# Altium PCB HACK_LINK_V1_new_power.PcbDoc (part 3 of 6)
Units mm, origin at the board's own origin, x right, y up, seen from the top; angles counter-clockwise.
Board outline 67.51 x 40.01 mm, 6 copper layers (L1, L2, L3, GND, POWER, L6); 277 components, 286 nets, 1682 pads, 596 vias.
Unrouted connection lines stored in the file: 4.
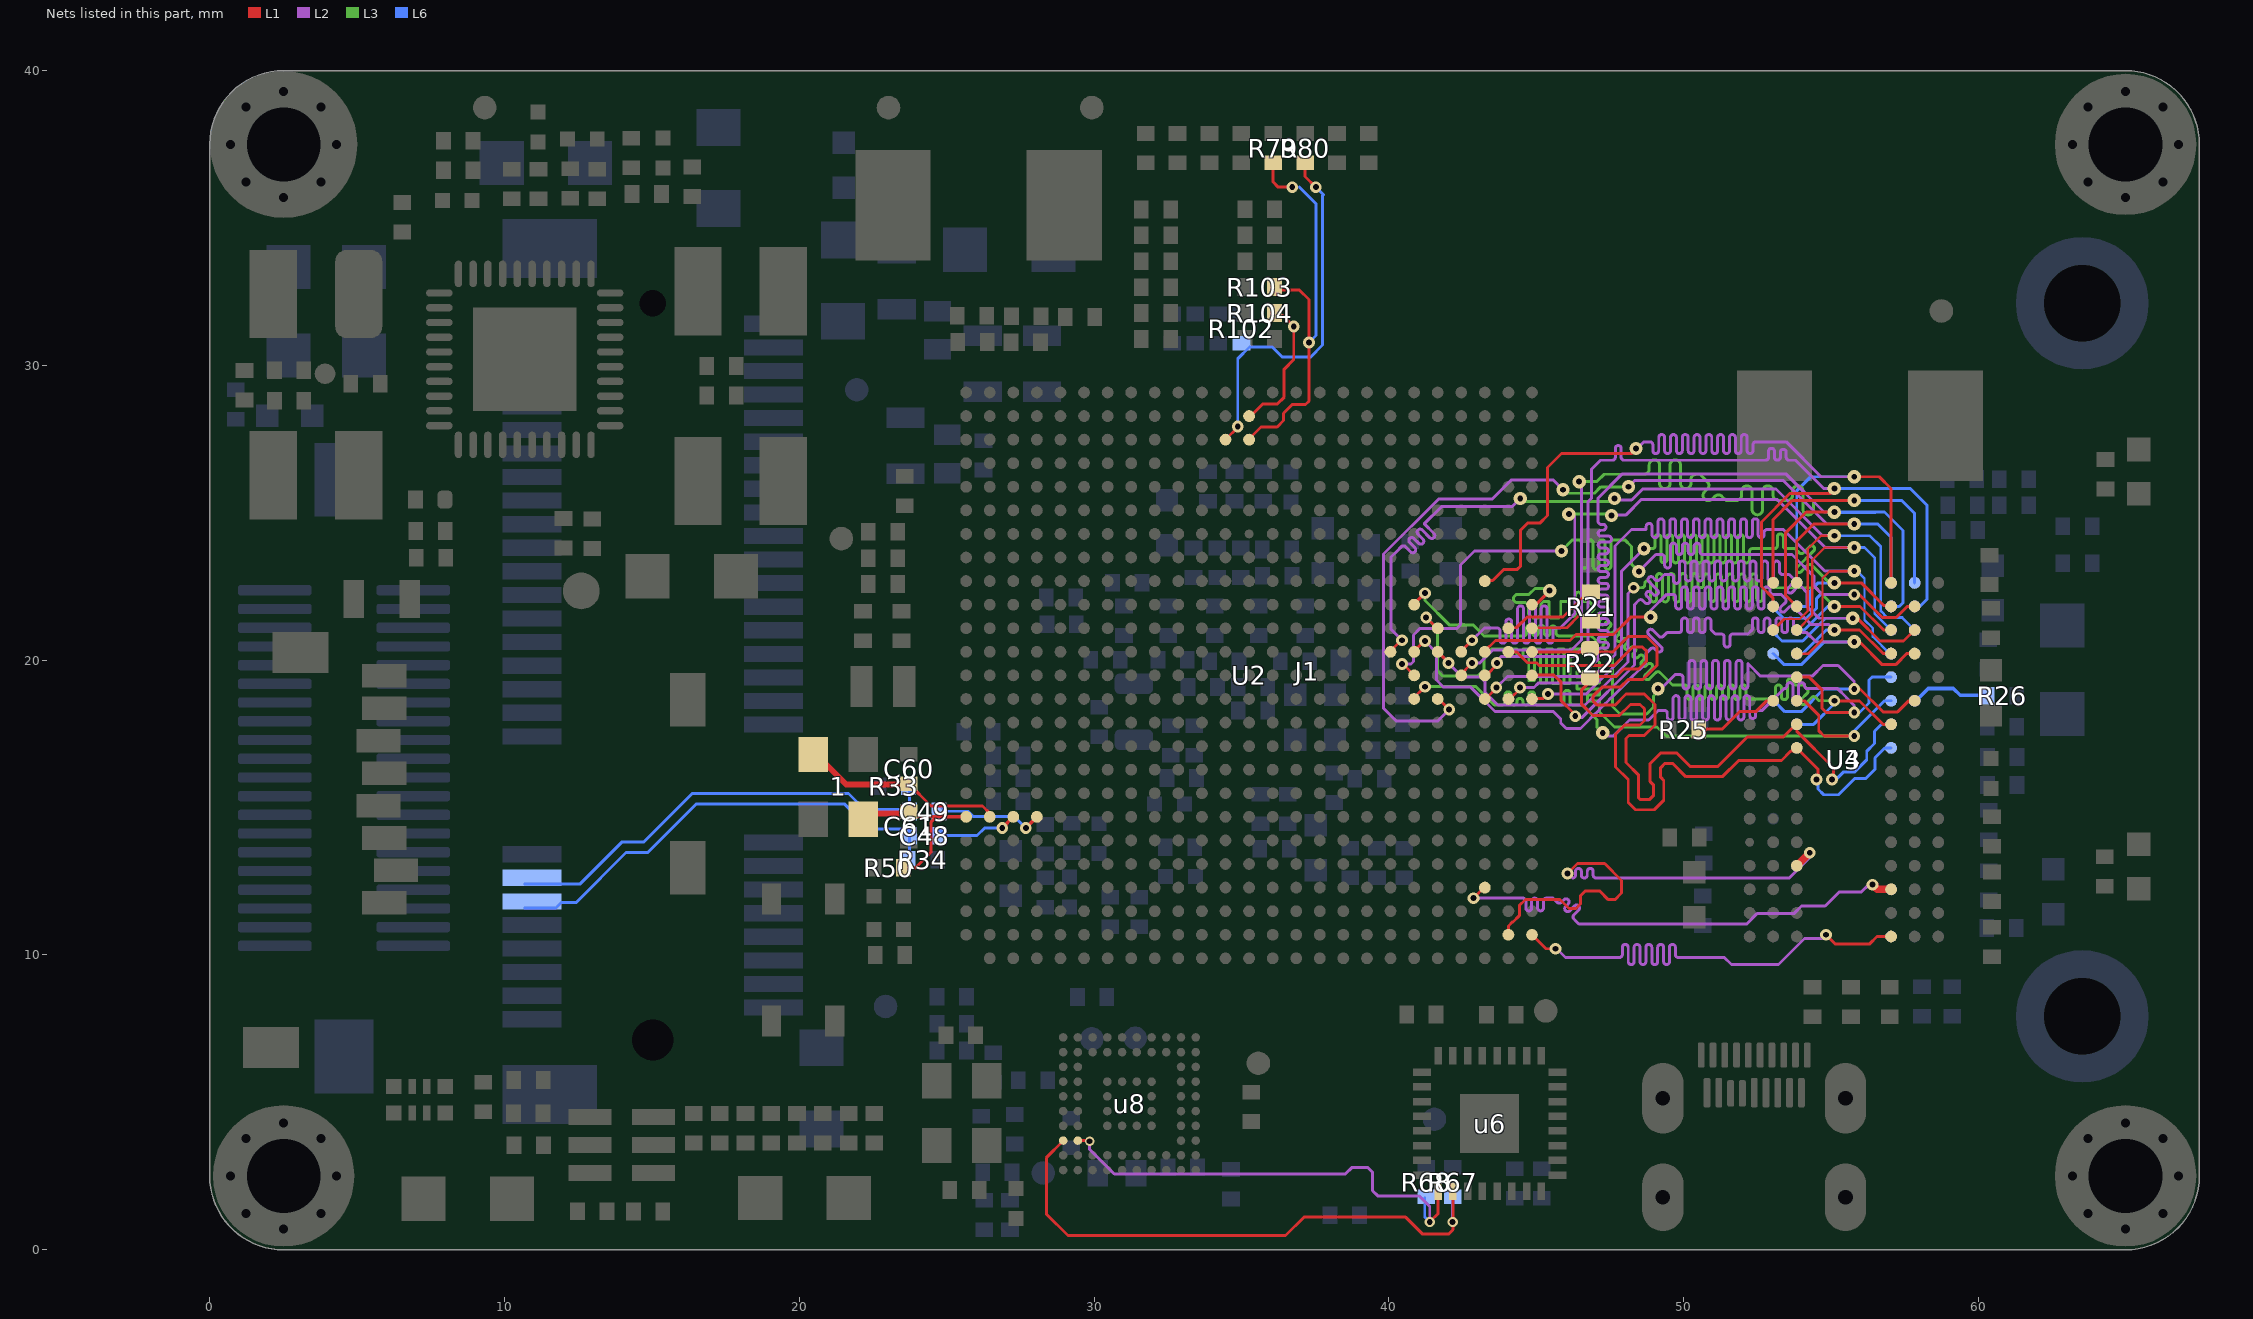
[diagram p7: the nets of this part, all layers, seen from the top]

## Via types
v1: diameter 0.4, hole 0.2, L1 to L6, tented both sides, 388 vias
v2: diameter 0.35, hole 0.2, L1 to L6, tented both sides, 45 vias
v3: diameter 0.45, hole 0.2, L1 to L6, tented both sides, 34 vias
v4: diameter 0.5, hole 0.3, L1 to L6, tented both sides, 31 vias
v5: diameter 0.8, hole 0.4, L1 to L6, 26 vias
v6: diameter 0.325, hole 0.2, L1 to L6, tented both sides, 14 vias
v7: diameter 0.6, hole 0.35, L1 to L6, 8 vias
v8: diameter 0.6, hole 0.3, L1 to L6, tented both sides, 6 vias
v9: diameter 0.45, hole 0.3, L1 to L6, tented both sides, 6 vias
v10: diameter 0.7, hole 0.4, L1 to L6, 5 vias
v11: diameter 0.7, hole 0.35, L1 to L6, 5 vias
v12: diameter 0.3, hole 0.2, L1 to L6, tented both sides, 4 vias
v13: diameter 0.7, hole 0.45, L1 to L6, tented both sides, 3 vias
v14: diameter 0.55, hole 0.3, L1 to L6, 3 vias
v15: diameter 0.5, hole 0.35, L1 to L6, 3 vias
v16: diameter 0.6, hole 0.35, L1 to L6, tented both sides, 2 vias
v17: diameter 0.7, hole 0.3, L1 to L6, 2 vias
v18: diameter 0.55, hole 0.3, L1 to L6, tented both sides, 2 vias
v19: diameter 0.4, hole 0.25, L1 to L6, tented both sides, 2 vias
v20: diameter 0.65, hole 0.335, L1 to L6, tented both sides, 1 vias
v21: diameter 0.6, hole 0.4, L1 to L6, tented both sides, 1 vias
v22: diameter 0.8, hole 0.45, L1 to L6, 1 vias
v23: diameter 0.9, hole 0.9, L1 to L6, 1 vias
v24: diameter 0.7, hole 0.7, L1 to L6, 1 vias
v25: diameter 0.4, hole 0.3, L1 to L6, tented both sides, 1 vias
v26: diameter 0.45, hole 0.25, L1 to L6, tented both sides, 1 vias

## Nets (pads, with @x,y where several pads share a name; then routed paths per layer and width w, separated by ;. In a path a pad name is that pad's centre, name@x,y a point inside that pad or via, vN(x,y) a via of type N, cw(c..) or ccw(c..) an arc to the next point about the centre after c; other vN are vias at no path point) (continued)
BT_CFG2_5: R80.2 R102.2 U2.M23 | length 12.7
  L1 w0.1: U2.M23@34.46,27.484 34.875,27.899 v1(34.875,27.925) ; R80.2@37.161,36.875 37.161,36.414 v1(37.525,36.05)
  L6 w0.1: v1(34.875,27.925) 34.875,30.225 35.275,30.625 36.05,30.625 36.38,30.295 37.359,30.295 37.755,30.691 37.755,35.766 37.782,35.793 v1(37.525,36.05)
BT_CFG2_6: R79.2 R103.2 U2.N23 | length 14.5
  L1 w0.1: U2.N23@35.26,27.484 35.26,27.51 35.664,27.914 36.213,27.914 36.43,28.131 36.43,28.377 36.725,28.672 37.172,28.672 37.29,28.79 v1(37.29,30.775) 37.29,32.235 36.965,32.56 R103.2@36.125,32.56 ; R79.2@36.079,36.875 36.079,36.221 36.25,36.05 v1(36.725,36.05)
  L6 w0.1: 36.975,36.05 37.535,35.49 37.535,31.02 v1(37.29,30.775)
BT_CFG2_7: R104.2 U2.N24 | length 4.8
  L1 w0.1: U2.N24@35.26,28.284 35.32,28.284 35.736,28.7 36.225,28.7 36.45,28.925 36.45,29.875 36.775,30.2 v1(36.775,31.325) 36.4,31.7 36.145,31.7 R104.2@36.125,31.68
CLK1_C_N: C48.1 U2.C7 | length 2.9
  L1 w0.125: v1(26.885,14.309) U2.C7@27.26,14.684
  L6 w0.1: C48.1@24.741,14.265 24.956,14.05 26.032,14.05 26.291,14.309 v1(26.885,14.309)
CLK1_C_P: C49.1 U2.D7 | length 3.8
  L1 w0.125: v1(27.685,14.309) U2.D7@28.06,14.684
  L6 w0.1: C49.1@24.741,15.09 24.956,14.875 25.725,14.875 25.9,14.7 27.294,14.7 v1(27.685,14.309)
CLK1_N: C48.2 J1.11 R34.2 | length 15.7
  L6 w0.1: J1.11@10.679,11.599 11.744,11.599 11.916,11.771 12.421,11.771 14.121,13.471 14.858,13.471 16.512,15.125 21.524,15.125 22.384,14.265 23.741,14.265 R34.2@23.741,13.488
CLK1_P: C49.2 J1.13 R33.2 | length 15.3
  L6 w0.1: J1.13@10.679,12.399 12.548,12.399 13.974,13.825 14.711,13.825 16.365,15.479 21.671,15.479 22.222,14.928 C49.2@23.678,14.928 ; C49.2@23.741,15.09 R33.2@23.741,15.888
CPU_XTALI: 1.1 C61.1 R50.1 U2.A7 | length 7.4
  L1 w0.1: 1.1@22.043,14.601 1.1@22.174,14.601 ; C61.1@23.527,14.801 23.716,14.99 24.006,14.7 U2.A7@25.65,14.7 ; R50.1@23.529,12.955 23.937,12.955 24.46,13.478 24.46,14.5 24.644,14.684 U2.A7@25.66,14.684
  L1 w0.2: 1.1@22.074,14.801 C61.1@23.527,14.801
CPU_XTALO: 1.3 C60.1 U2.B7 | length 7.1
  L1 w0.1: C60.1@23.71,15.809 24.465,15.054 26.215,15.054 26.46,14.809 U2.B7@26.46,14.684
  L1 w0.2: 1.3@20.374,17.001 21.591,15.784 C60.1@23.71,15.784
DDCS_SCL: R67.2 u6.10 u8.A3 | length 19.5
  L1 w0.1: u8.A3@28.95,3.7 28.95,3.686 28.38,3.116 28.38,1.209 29.114,0.475 36.497,0.475 37.122,1.1 40.575,1.1 41.15,0.525 42.025,0.525 42.175,0.675 u6.10@42.175,1.975
  L6 w0.1: v2@42.154,0.952 R67.2@42.154,1.744
  other v2: 42.166,0.94
DDCS_SDA: R68.2 u6.9 u8.B3 | length 16.1
  L1 w0.1: u8.B3@29.45,3.7 29.827,3.7 v6(29.851,3.675) ; v2@41.4,0.95 41.675,1.225 u6.9@41.675,1.975
  L2 w0.1: v6(29.851,3.675) 29.851,3.399 30.687,2.563 31.982,2.563 31.984,2.565 32.266,2.565 32.268,2.563 38.525,2.563 38.741,2.78 39.295,2.78 39.45,2.625 39.45,2 39.625,1.825 41.025,1.825 41.391,1.459 v2(41.391,0.94)
  L6 w0.1: R68.2@41.221,1.744 41.221,1.11 v2(41.391,0.94)
DRAM0_ZQ: R25.2 U3.L8 | length 2.7
  L1 w0.1: 50.766,17.638 50.792,17.664 51.315,17.664 51.905,18.254 52.455,18.254 52.825,18.624 U3.L8@53.044,18.624
DRAM1_ZQ: R26.2 U4.L8 | length 2.8
  L6 w0.125: U4.L8@57.844,18.624 57.891,18.624 58.309,19.041 59.153,19.041 59.387,18.807 R26.2@60.347,18.807
  L6 w0.25: U4.L8@57.844,18.624 U4.L8@57.85,18.624
DRAM_A0: U2.AC14 U3.N3 U4.N3 | length 28.4
  L1 w0.1: U2.AC14@43.25,20.3 43.62,20.67 46.145,20.67 46.35,20.875 47.626,20.875 48.21,21.459 v3@48.91,21.459 ; v3@55.144,21.024 55.976,21.024 56.776,20.224 U3.N3@57.044,20.224
  L2 w0.1: v3(48.885,21.459) 48.885,21.684 49.435,22.234 49.635,22.234 cw(c49.635,22.134) 49.735,22.134 49.735,21.834 ccw(c49.835,21.834) 49.835,21.734 ccw(c49.835,21.834) 49.935,21.834 49.935,22.389 cw(c50.035,22.389) 50.035,22.489 cw(c50.035,22.389) 50.135,22.389 50.135,21.834 ccw(c50.235,21.834) 50.235,21.734 ccw(c50.235,21.834) 50.335,21.834 50.335,22.389 cw(c50.435,22.389) 50.435,22.489 cw(c50.435,22.389) 50.535,22.389 50.535,21.834 ccw(c50.635,21.834) 50.635,21.734 ccw(c50.635,21.834) 50.735,21.834 50.735,22.389 cw(c50.835,22.389) 50.835,22.489 cw(c50.835,22.389) 50.935,22.389 50.935,21.834 ccw(c51.035,21.834) 51.035,21.734 ccw(c51.035,21.834) 51.135,21.834 51.135,22.389 cw(c51.235,22.389) 51.235,22.489 cw(c51.235,22.389) 51.335,22.389 51.335,21.834 ccw(c51.435,21.834) 51.435,21.734 ccw(c51.435,21.834) 51.535,21.834 51.535,22.389 cw(c51.635,22.389) 51.635,22.489 cw(c51.635,22.389) 51.735,22.389 51.735,21.834 ccw(c51.835,21.834) 51.835,21.734 ccw(c51.835,21.834) 51.935,21.834 51.935,22.389 cw(c52.035,22.389) 52.035,22.489 cw(c52.035,22.389) 52.135,22.389 52.135,21.834 ccw(c52.235,21.834) 52.235,21.734 ccw(c52.235,21.834) 52.335,21.834 52.335,22.389 cw(c52.435,22.389) 52.435,22.489 cw(c52.435,22.389) 52.535,22.389 52.535,21.834 ccw(c52.635,21.834) 52.635,21.734 ccw(c52.635,21.834) 52.735,21.834 52.735,22.389 cw(c52.835,22.389) 52.835,22.489 cw(c52.835,22.389) 52.935,22.389 52.935,22.334 ccw(c53.035,22.334) 53.035,22.234 53.313,22.234 53.454,22.093 cw(c53.383,22.022) 53.454,21.951 53.304,21.801 ccw(c53.375,21.73) 53.304,21.659 ccw(c53.375,21.73) 53.445,21.659 53.596,21.81 cw(c53.666,21.739) 53.737,21.81 54.343,21.204 54.939,21.204 v3(55.119,21.024)
  L6 w0.1: U4.N3@53.844,20.224 54.044,20.224 54.844,21.024 v3(55.119,21.024)
DRAM_A1: U2.AB14 U3.P7 U4.P7 | length 35.6
  L1 w0.08: U3.P7@53.844,21.024 53.864,21.024 54.369,21.529 54.369,23.399 54.794,23.824 v3@55.744,23.824
  L1 w0.1: U2.AB14@42.45,20.3 v1@42.75,20.6
  L2 w0.1: v1(42.825,20.675) 43.245,21.095 43.672,21.095 cw(c43.672,20.995) 43.772,20.995 43.772,20.675 ccw(c43.872,20.675) 43.872,20.575 ccw(c43.872,20.675) 43.972,20.675 43.972,21.298 cw(c44.072,21.298) 44.072,21.398 cw(c44.072,21.298) 44.172,21.298 44.172,20.675 ccw(c44.272,20.675) 44.272,20.575 ccw(c44.272,20.675) 44.372,20.675 44.372,21.745 cw(c44.472,21.745) 44.472,21.845 cw(c44.472,21.745) 44.572,21.745 44.572,20.675 ccw(c44.672,20.675) 44.672,20.575 ccw(c44.672,20.675) 44.772,20.675 44.772,21.745 cw(c44.872,21.745) 44.872,21.845 cw(c44.872,21.745) 44.972,21.745 44.972,20.675 ccw(c45.072,20.675) 45.072,20.575 ccw(c45.072,20.675) 45.172,20.675 45.172,21.745 cw(c45.272,21.745) 45.272,21.845 cw(c45.272,21.745) 45.372,21.745 45.372,20.675 ccw(c45.472,20.675) 45.472,20.575 ccw(c45.472,20.675) 45.572,20.675 45.572,20.995 cw(c45.672,20.995) 45.672,21.095 45.821,21.095 46.31,21.584 46.31,24.879 v3@46.11,25.079 ; v3@47.485,24.934 48.055,24.934 48.58,25.459 53.174,25.459 54.804,23.829 55.789,23.829 v3(55.794,23.824)
  L3 w0.1: v3(46.11,24.954) v3@47.515,24.954
  L6 w0.09: v3(55.794,23.824) 56.144,23.824 56.494,23.474 56.494,21.574 U4.P7@57.044,21.024
  other v3: 47.56,24.909
DRAM_A2: U2.AA14 U3.P3 U4.P3 | length 37.1
  L1 w0.1: U2.AA14@41.65,20.3 v1@41.95,20 ; v3@55.144,21.824 55.994,21.824 56.794,21.024 U3.P3@57.044,21.024
  L2 w0.1: v1(42.025,19.9) 42.491,19.434 43.11,19.434 43.26,19.284 43.26,18.92 43.7,18.48 46.656,18.48 48.115,19.939 48.115,22.264 v1(48.31,22.459)
  L3 w0.1: v1(48.31,22.459) 48.585,22.459 ccw(c48.585,22.559) 48.685,22.559 48.685,22.596 cw(c48.785,22.596) 48.785,22.696 cw(c48.785,22.596) 48.885,22.596 48.885,22.078 ccw(c48.985,22.078) 48.985,21.978 ccw(c48.985,22.078) 49.085,22.078 49.085,22.84 cw(c49.185,22.84) 49.185,22.94 cw(c49.185,22.84) 49.285,22.84 49.285,22.078 ccw(c49.385,22.078) 49.385,21.978 ccw(c49.385,22.078) 49.485,22.078 49.485,22.84 cw(c49.585,22.84) 49.585,22.94 cw(c49.585,22.84) 49.685,22.84 49.685,22.078 ccw(c49.785,22.078) 49.785,21.978 ccw(c49.785,22.078) 49.885,22.078 49.885,22.84 cw(c49.985,22.84) 49.985,22.94 cw(c49.985,22.84) 50.085,22.84 50.085,22.078 ccw(c50.185,22.078) 50.185,21.978 ccw(c50.185,22.078) 50.285,22.078 50.285,22.84 cw(c50.385,22.84) 50.385,22.94 cw(c50.385,22.84) 50.485,22.84 50.485,22.559 ccw(c50.585,22.559) 50.585,22.459 ccw(c50.585,22.559) 50.685,22.559 50.685,22.826 cw(c50.785,22.826) 50.785,22.926 cw(c50.785,22.826) 50.885,22.826 50.885,22.459 50.885,22.092 ccw(c50.985,22.092) 50.985,21.992 ccw(c50.985,22.092) 51.085,22.092 51.085,22.459 51.085,22.826 cw(c51.185,22.826) 51.185,22.926 cw(c51.185,22.826) 51.285,22.826 51.285,22.459 51.285,22.092 ccw(c51.385,22.092) 51.385,21.992 ccw(c51.385,22.092) 51.485,22.092 51.485,22.459 51.485,22.826 cw(c51.585,22.826) 51.585,22.926 cw(c51.585,22.826) 51.685,22.826 51.685,22.459 51.685,22.092 ccw(c51.785,22.092) 51.785,21.992 ccw(c51.785,22.092) 51.885,22.092 51.885,22.459 51.885,22.826 cw(c51.985,22.826) 51.985,22.926 cw(c51.985,22.826) 52.085,22.826 52.085,22.459 52.085,22.092 ccw(c52.185,22.092) 52.185,21.992 ccw(c52.185,22.092) 52.285,22.092 52.285,22.459 52.285,22.826 cw(c52.385,22.826) 52.385,22.926 cw(c52.385,22.826) 52.485,22.826 52.485,22.459 52.485,22.092 ccw(c52.585,22.092) 52.585,21.992 ccw(c52.585,22.092) 52.685,22.092 52.685,22.359 cw(c52.785,22.359) 52.785,22.459 54.484,22.459 v3(55.119,21.824)
  L6 w0.1: U4.P3@53.844,21.024 54.094,21.024 54.894,21.824 v3(55.119,21.824)
DRAM_A3: U2.Y14 U3.N2 U4.N2 | length 32.4
  L1 w0.1: U2.Y14@40.85,20.3 v1@41.15,20.6 ; v3(55.794,20.624) 55.969,20.624 56.744,19.849 57.199,19.849 57.574,20.224 U3.N2@57.844,20.224
  L2 w0.1: v1@41.225,20.725 v1(41.225,20.65) ; v1@41.35,20.65 v1(41.225,20.65) ; v3(55.794,20.624) 54.495,20.624 54.185,20.934 53.835,20.934 cw(c53.835,21.034) 53.735,21.034 53.735,21.334 ccw(c53.635,21.334) 53.635,21.434 ccw(c53.635,21.334) 53.535,21.334 53.535,21.034 cw(c53.435,21.034) 53.435,20.934 cw(c53.435,21.034) 53.335,21.034 53.335,21.334 ccw(c53.235,21.334) 53.235,21.434 ccw(c53.235,21.334) 53.135,21.334 53.135,21.034 cw(c53.035,21.034) 53.035,20.934 cw(c53.035,21.034) 52.935,21.034 52.935,21.334 ccw(c52.835,21.334) 52.835,21.434 ccw(c52.835,21.334) 52.735,21.334 52.735,21.034 cw(c52.635,21.034) 52.635,20.934 cw(c52.635,21.034) 52.535,21.034 52.535,21.334 ccw(c52.435,21.334) 52.435,21.434 ccw(c52.435,21.334) 52.335,21.334 52.335,21.034 52.19,20.889 51.68,20.889 ccw(c51.68,20.789) 51.58,20.789 51.58,20.544 cw(c51.48,20.544) 51.48,20.444 cw(c51.48,20.544) 51.38,20.544 51.38,20.789 ccw(c51.28,20.789) 51.28,20.889 51.08,20.889 50.935,21.034 50.935,21.334 ccw(c50.835,21.334) 50.835,21.434 ccw(c50.835,21.334) 50.735,21.334 50.735,21.034 cw(c50.635,21.034) 50.635,20.934 cw(c50.635,21.034) 50.535,21.034 50.535,21.334 ccw(c50.435,21.334) 50.435,21.434 ccw(c50.435,21.334) 50.335,21.334 50.335,21.034 cw(c50.235,21.034) 50.235,20.934 cw(c50.235,21.034) 50.135,21.034 50.135,21.334 ccw(c50.035,21.334) 50.035,21.434 ccw(c50.035,21.334) 49.935,21.334 49.935,21.034 cw(c49.835,21.034) 49.835,20.934 49.435,20.934 49.311,20.81 cw(c49.24,20.88) 49.169,20.81 48.957,21.022 ccw(c48.886,20.951) 48.816,21.022 ccw(c48.886,20.951) 48.816,20.88 49.247,20.449 cw(c49.177,20.378) 49.247,20.307 cw(c49.177,20.378) 49.106,20.307 49.028,20.385 ccw(c48.957,20.315) 48.886,20.385 48.72,20.219 48.72,19.894 48.695,19.869 48.684,19.869 48.614,19.8 48.62,19.794 48.337,19.511 48.331,19.517 48.261,19.447 48.261,19.435 47.564,18.738 47.552,18.738 47.483,18.668 47.488,18.662 47.281,18.455 47.269,18.455 47.13,18.316 47.13,18.304 46.923,18.097 46.917,18.103 46.847,18.033 46.847,18.021 46.506,17.68 46.025,17.68 45.835,17.87 45.835,18.009 45.584,18.26 43.609,18.26 42.785,19.084 41.86,19.084 41.62,19.324 41.62,20.255 v1(41.225,20.65)
  L6 w0.1: U4.N2@53.044,20.224 53.419,19.849 53.999,19.849 54.774,20.624 v3@55.744,20.624
DRAM_A4: U2.W14 U3.P8 U4.P8 | length 32.7
  L1 w0.08: 53.419,21.399 53.942,21.399 54.214,21.671 54.214,23.769 54.669,24.224 v3(55.119,24.224)
  L1 w0.1: U2.W14@40.05,20.3 v1@40.35,20.6 ; U3.P8@53.044,21.024 53.419,21.399
  L2 w0.1: v1(40.45,20.675) 40.075,21.05 40.075,23.499 40.285,23.709 40.426,23.85 cw(c40.497,23.78) 40.568,23.85 40.745,23.673 ccw(c40.816,23.744) 40.887,23.673 ccw(c40.816,23.744) 40.887,23.814 40.709,23.992 cw(c40.78,24.063) 40.709,24.133 cw(c40.78,24.063) 40.851,24.133 41.019,23.965 ccw(c41.09,24.036) 41.16,23.965 ccw(c41.09,24.036) 41.16,24.106 40.992,24.275 cw(c41.063,24.345) 40.992,24.416 cw(c41.063,24.345) 41.134,24.416 41.391,24.158 ccw(c41.462,24.229) 41.533,24.158 ccw(c41.462,24.229) 41.533,24.3 41.204,24.628 41.785,25.209 44.185,25.209 v3(44.46,25.484) ; v3@47.66,25.434 48.244,25.434 48.619,25.809 53.135,25.809 54.72,24.224 v3(55.119,24.224)
  L3 w0.1: v3(44.46,25.484) 44.555,25.389 47.565,25.389 v3(47.66,25.484)
  L6 w0.09: v3@55.144,24.224 56.319,24.224 56.694,23.849 56.694,21.665 56.91,21.449 57.419,21.449 U4.P8@57.844,21.024
  L6 w0.1: U4.P8@57.769,21.149 57.769,21.099 U4.P8@57.844,21.024
DRAM_A5: U2.AE13 U3.P2 U4.P2 | length 34.4
  L1 w0.1: U2.AE13@44.85,19.5 45.6,19.5 45.85,19.25 45.85,18.625 v1@46.25,18.225 ; v3(55.744,21.424) 55.894,21.424 56.669,20.649 57.469,20.649 U3.P2@57.844,21.024
  L2 w0.1: v1@46.35,18.05 46.551,18.05 48.335,19.834 48.335,21.884 48.476,22.025 cw(c48.547,21.955) 48.618,22.025 48.696,21.947 ccw(c48.767,22.018) 48.837,21.947 ccw(c48.767,22.018) 48.837,22.089 48.759,22.167 cw(c48.83,22.238) 48.759,22.308 cw(c48.83,22.238) 48.901,22.308 48.979,22.23 ccw(c49.049,22.301) 49.12,22.23 ccw(c49.049,22.301) 49.12,22.372 48.971,22.52 48.827,22.665 cw(c48.898,22.736) 48.827,22.806 cw(c48.898,22.736) 48.968,22.806 49.042,22.733 ccw(c49.113,22.803) 49.184,22.733 49.36,22.909 49.56,22.909 cw(c49.56,22.809) 49.66,22.809 49.66,22.706 ccw(c49.76,22.706) 49.76,22.606 ccw(c49.76,22.706) 49.86,22.706 49.86,23.264 cw(c49.96,23.264) 49.96,23.364 cw(c49.96,23.264) 50.06,23.264 50.06,22.79 ccw(c50.16,22.79) 50.16,22.69 ccw(c50.16,22.79) 50.26,22.79 50.26,23.264 cw(c50.36,23.264) 50.36,23.364 cw(c50.36,23.264) 50.46,23.264 50.46,22.79 ccw(c50.56,22.79) 50.56,22.69 ccw(c50.56,22.79) 50.66,22.79 50.66,23.264 cw(c50.76,23.264) 50.76,23.364 cw(c50.76,23.264) 50.86,23.264 50.86,22.79 ccw(c50.96,22.79) 50.96,22.69 ccw(c50.96,22.79) 51.06,22.79 51.06,23.264 cw(c51.16,23.264) 51.16,23.364 cw(c51.16,23.264) 51.26,23.264 51.26,22.79 ccw(c51.36,22.79) 51.36,22.69 ccw(c51.36,22.79) 51.46,22.79 51.46,23.264 cw(c51.56,23.264) 51.56,23.364 cw(c51.56,23.264) 51.66,23.264 51.66,22.79 ccw(c51.76,22.79) 51.76,22.69 ccw(c51.76,22.79) 51.86,22.79 51.86,23.264 cw(c51.96,23.264) 51.96,23.364 cw(c51.96,23.264) 52.06,23.264 52.06,22.79 ccw(c52.16,22.79) 52.16,22.69 ccw(c52.16,22.79) 52.26,22.79 52.26,23.264 cw(c52.36,23.264) 52.36,23.364 cw(c52.36,23.264) 52.46,23.264 52.46,22.79 ccw(c52.56,22.79) 52.56,22.69 ccw(c52.56,22.79) 52.66,22.79 52.66,23.264 cw(c52.76,23.264) 52.76,23.364 cw(c52.76,23.264) 52.86,23.264 52.86,22.79 ccw(c52.96,22.79) 52.96,22.69 ccw(c52.96,22.79) 53.06,22.79 53.06,23.264 cw(c53.16,23.264) 53.16,23.364 cw(c53.16,23.264) 53.26,23.264 53.26,23.009 ccw(c53.36,23.009) 53.36,22.909 53.585,22.909 53.726,22.768 cw(c53.656,22.697) 53.726,22.626 53.55,22.449 ccw(c53.62,22.379) 53.55,22.308 ccw(c53.62,22.379) 53.691,22.308 53.868,22.485 cw(c53.939,22.414) 54.009,22.485 54.185,22.309 54.185,21.834 54.595,21.424 v3(55.744,21.424)
  L6 w0.1: U4.P2@53.044,21.024 53.044,20.949 53.344,20.649 54.044,20.649 54.819,21.424 v3(55.744,21.424)
  other v1: 46.327,18.101
DRAM_A6: U2.AC13 U3.R8 U4.R8 | length 34.1
  L1 w0.093: v3@55.144,25.824 v3@55.144,25.849
  L1 w0.1: U2.AC13@43.25,19.5 43.325,19.5 v1@43.675,19.85 ; U3.R8@53.044,21.824 53.044,22.1 52.644,22.5 52.644,24.692 53.601,25.649 54.969,25.649 v3@55.144,25.824
  L2 w0.1: v1@43.765,19.9 v1(43.675,19.9) 43.675,19.98 43.825,20.13 46.292,20.13 46.755,20.593 46.755,25.37 46.885,25.5 46.885,26.484 47.186,26.785 47.586,26.785 ccw(c47.586,26.885) 47.686,26.885 47.686,27.185 cw(c47.786,27.185) 47.786,27.285 cw(c47.786,27.185) 47.886,27.185 47.886,26.885 ccw(c47.986,26.885) 47.986,26.785 52.786,26.785 ccw(c52.786,26.885) 52.886,26.885 52.886,27.089 cw(c52.986,27.089) 52.986,27.189 cw(c52.986,27.089) 53.086,27.089 53.086,26.885 ccw(c53.186,26.885) 53.186,26.785 ccw(c53.186,26.885) 53.286,26.885 53.286,27.056 cw(c53.386,27.056) 53.386,27.156 cw(c53.386,27.056) 53.486,27.056 53.486,26.885 ccw(c53.586,26.885) 53.586,26.785 53.798,26.785 54.759,25.824 v3(55.119,25.824)
  L6 w0.1: v3@55.144,25.824 57.694,25.824 58.269,25.249 58.269,22.074 58.019,21.824 U4.R8@57.844,21.824 ; U4.R8@57.744,21.824 U4.R8@57.844,21.824 ; U4.R8@57.844,21.949 U4.R8@57.844,21.824
DRAM_A7: U2.Y13 U3.R2 U4.R2 | length 35.1
  L1 w0.1: v1@40.55,19.8 U2.Y13@40.85,19.5 ; v1@55.744,22.224 v1(55.794,22.224) 55.969,22.224 56.744,21.449 57.217,21.449 57.592,21.824 U3.R2@57.844,21.824
  L2 w0.1: v1(40.45,19.875) 40.751,19.875 40.835,19.959 40.835,20.859 41.046,21.07 42.296,21.07 42.43,21.204 42.43,23.229 42.91,23.709 v3(45.86,23.709) ; v3@48.56,23.009 v3(48.485,23.009) 49.06,23.584 49.16,23.584 49.26,23.584 cw(c49.26,23.484) 49.36,23.484 49.36,23.229 ccw(c49.46,23.229) 49.46,23.129 ccw(c49.46,23.229) 49.56,23.229 49.56,23.584 49.56,23.872 cw(c49.66,23.872) 49.66,23.972 cw(c49.66,23.872) 49.76,23.872 49.76,23.684 ccw(c49.86,23.684) 49.86,23.584 ccw(c49.86,23.684) 49.96,23.684 49.96,23.872 cw(c50.06,23.872) 50.06,23.972 cw(c50.06,23.872) 50.16,23.872 50.16,23.684 ccw(c50.26,23.684) 50.26,23.584 ccw(c50.26,23.684) 50.36,23.684 50.36,23.872 cw(c50.46,23.872) 50.46,23.972 cw(c50.46,23.872) 50.56,23.872 50.56,23.684 ccw(c50.66,23.684) 50.66,23.584 50.76,23.584 50.785,23.584 53.685,23.584 54.435,22.834 54.435,22.509 54.72,22.224 v1(55.794,22.224)
  L3 w0.1: v3(45.86,23.709) 46.235,24.084 46.435,24.084 cw(c46.435,23.984) 46.535,23.984 46.535,23.223 ccw(c46.635,23.223) 46.635,23.123 ccw(c46.635,23.223) 46.735,23.223 46.735,23.984 cw(c46.835,23.984) 46.835,24.084 cw(c46.835,23.984) 46.935,23.984 46.935,23.184 ccw(c47.035,23.184) 47.035,23.084 ccw(c47.035,23.184) 47.135,23.184 47.135,23.984 cw(c47.235,23.984) 47.235,24.084 cw(c47.235,23.984) 47.335,23.984 47.335,23.184 ccw(c47.435,23.184) 47.435,23.084 ccw(c47.435,23.184) 47.535,23.184 47.535,23.984 cw(c47.635,23.984) 47.635,24.084 48.01,24.084 48.235,23.859 48.235,23.259 v3(48.485,23.009)